# KiCad board ovc5.kicad_pcb (continued)
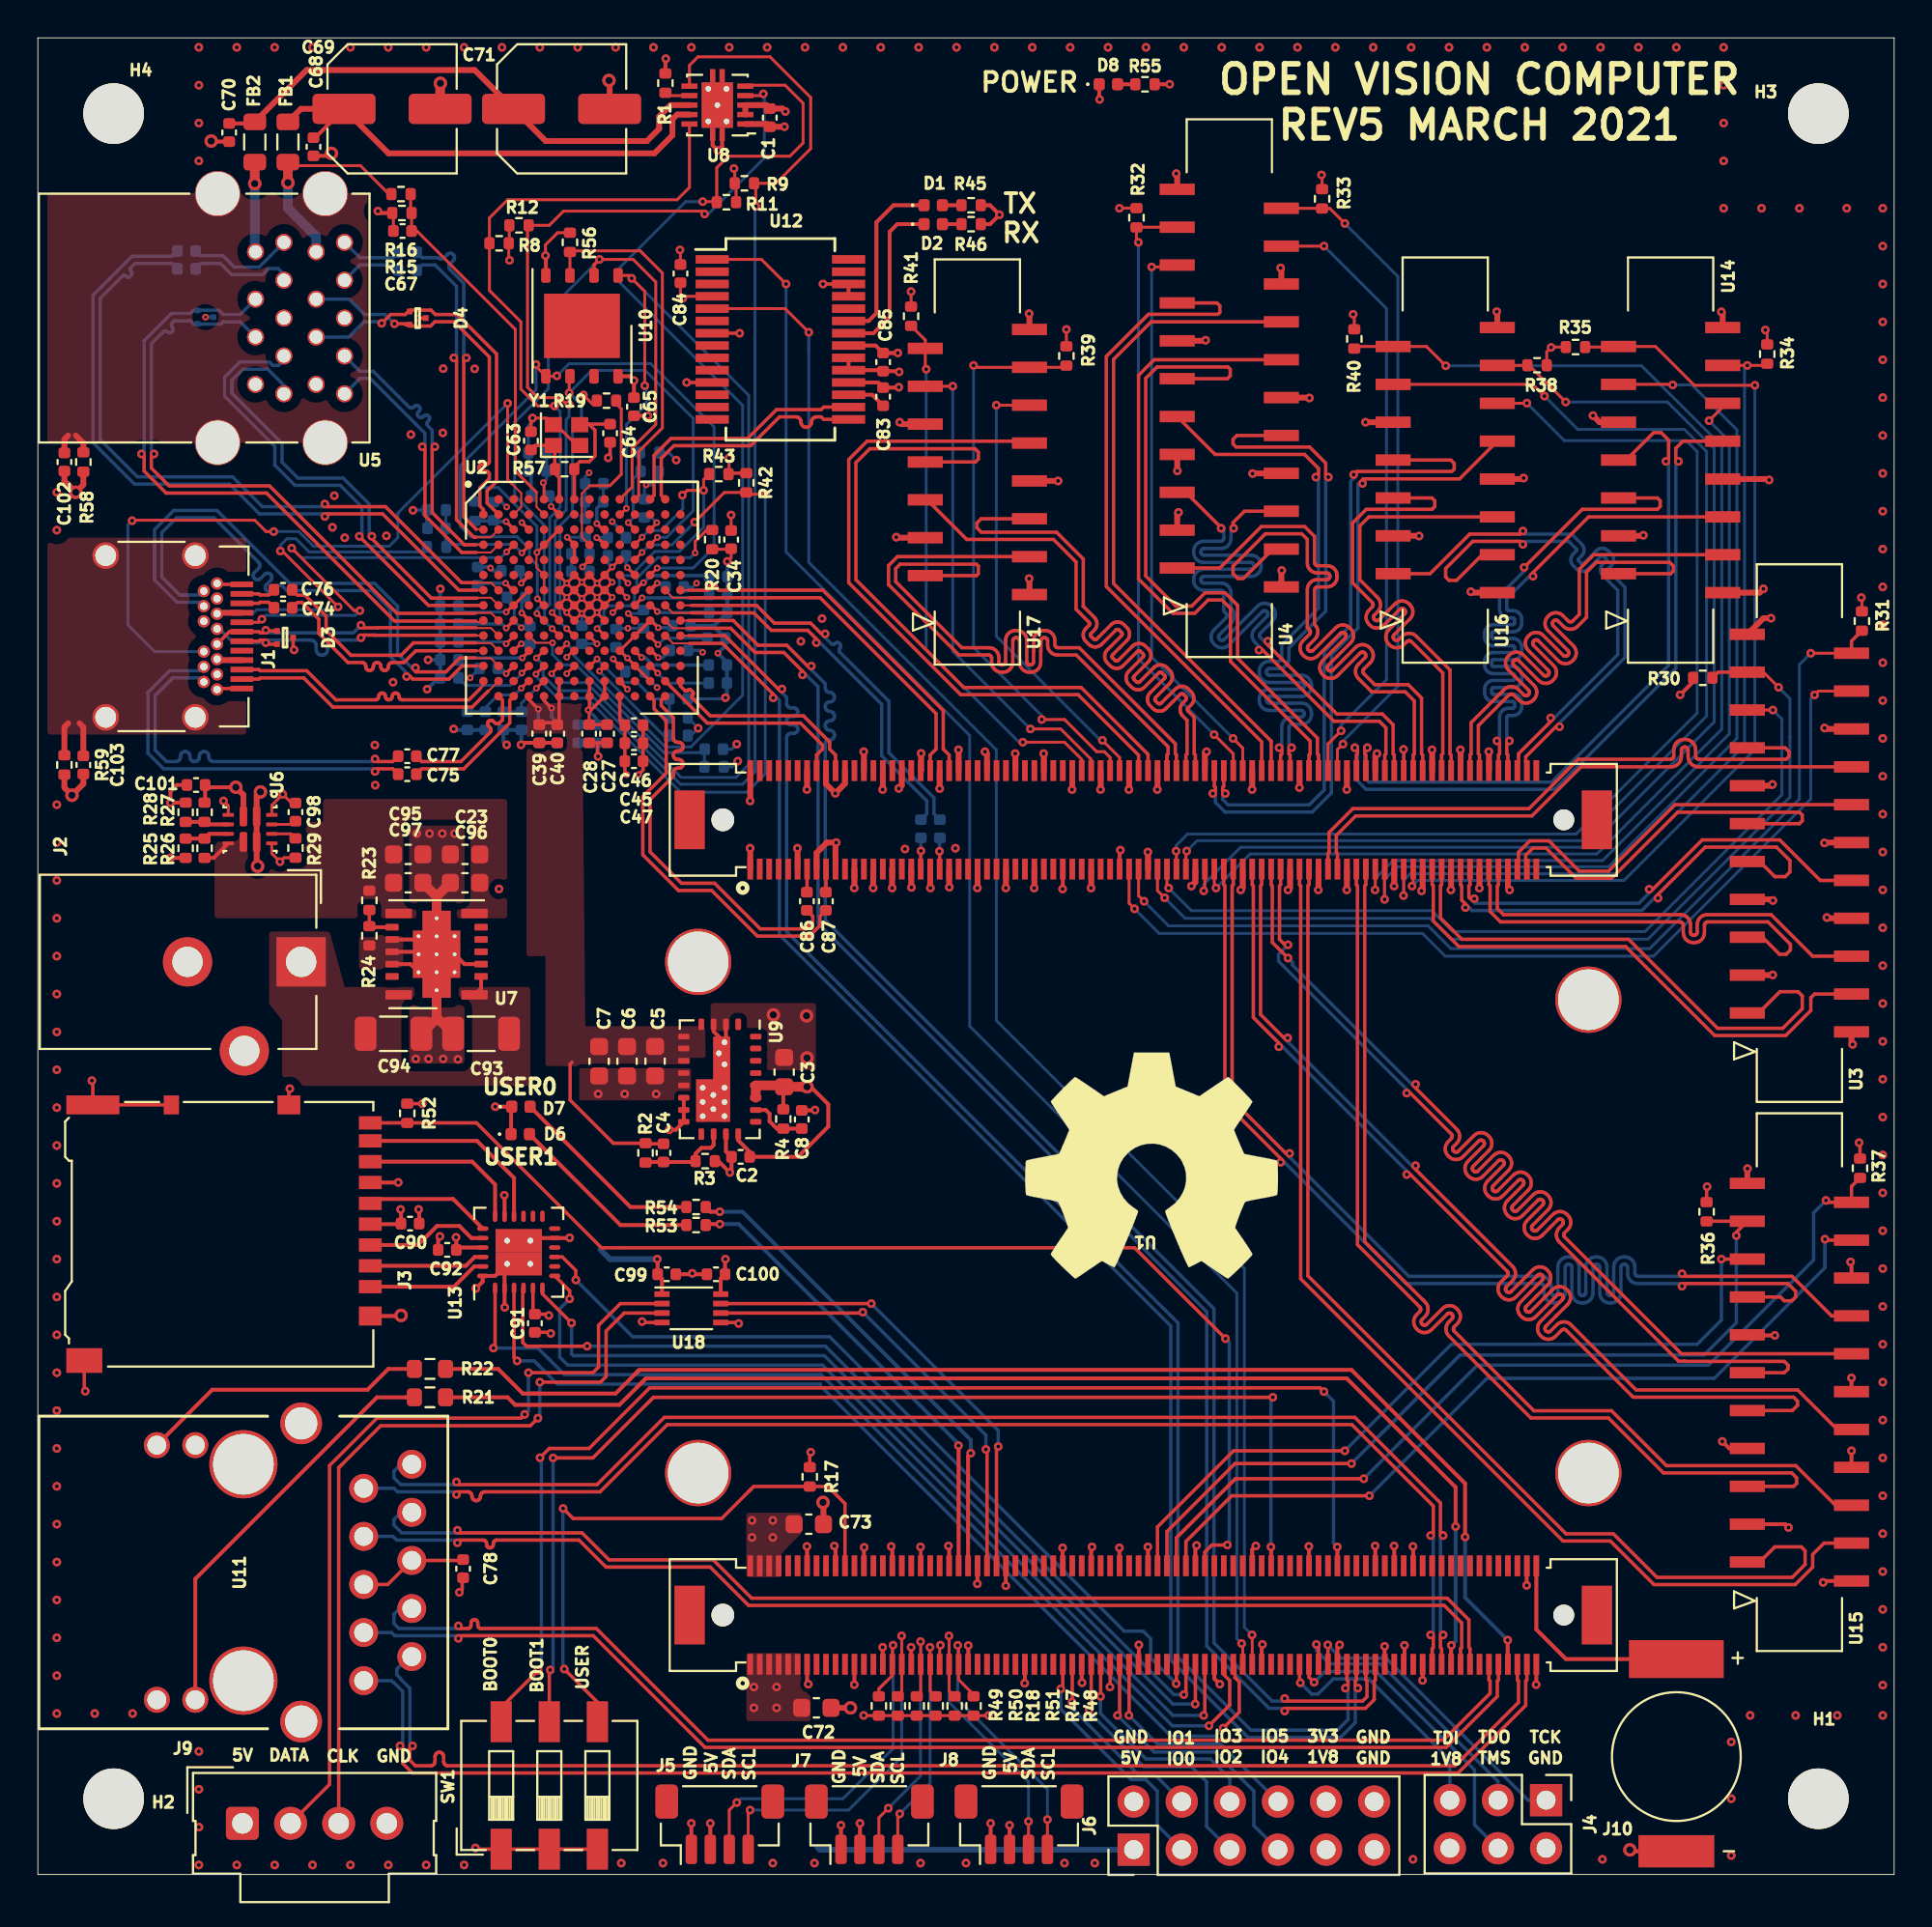
[diagram p0: board, top side]
## Routing (per net, layer and track width the routed paths; a pad name or vN(x,y) marks a point on that pad's centre or on a via; arc(x,y) is an arc through that point) (continued)
CAM5_DAT0-: length 34
  Top w0.178: U1.B92 60.11,59.13 60.05,59.18 60.05,59.72 54.98,64.79 53.86,64.79 53.82,64.79 53.79,64.81 53.75,64.83 53.73,64.85 53.71,64.89 53.69,64.92 53.69,64.96 53.69,65.18 53.68,65.3 53.64,65.41 53.58,65.51 53.49,65.59 53.4,65.65 53.29,65.69 53.17,65.7 53.09,65.7 52.98,65.69 52.87,65.65 52.77,65.59 52.69,65.51 52.62,65.41 52.59,65.3 52.57,65.18 52.57,64.6 52.56,64.6 52.56,64.05 52.56,64.01 52.55,63.98 52.53,63.94 52.5,63.92 52.47,63.9 52.43,63.88 52.39,63.88 52.38,63.88 52.34,63.88 52.3,63.9 52.27,63.92 52.25,63.94 52.23,63.98 52.21,64.01 52.21,64.05 52.21,65.18 52.2,65.3 52.16,65.41 52.1,65.51 52.01,65.59 51.91,65.65 51.81,65.69 51.69,65.7 51.61,65.7 51.49,65.69 51.38,65.65 51.29,65.59 51.2,65.51 51.14,65.41 51.1,65.3 51.09,65.18 51.09,64.05 51.09,64.01 51.07,63.98 51.05,63.94 51.03,63.92 50.99,63.9 50.96,63.88 50.92,63.88 50.91,63.88 50.87,63.88 50.83,63.9 50.8,63.92 50.77,63.94 50.75,63.98 50.74,64.01 50.74,64.05 50.74,64.27 50.72,64.39 50.68,64.5 50.62,64.6 50.54,64.68 50.44,64.74 50.33,64.78 50.22,64.79 48.78,64.79 45.29,68.28 45.29,68.97 45.52,69.2 49.55,69.2 49.65,69.1 49.65,68.7 49.55,68.6 U17.2
CAM5_DAT1+: length 34.2
  Top w0.178: U1.B94 60.61,59.13 60.67,59.18 60.67,60.96 60.44,61.19 60.38,61.27 60.33,61.37 60.31,61.47 60.31,61.58 60.33,61.69 60.38,61.79 60.44,61.87 60.6,62.03 60.62,62.05 60.63,62.08 60.64,62.1 60.64,62.13 60.63,62.16 60.62,62.19 60.6,62.21 60.49,62.32 60.47,62.34 60.44,62.35 60.41,62.36 60.38,62.36 60.35,62.35 60.33,62.34 60.3,62.32 59.94,61.96 59.8,61.83 59.56,61.58 59.47,61.51 59.37,61.46 59.27,61.44 59.16,61.44 59.05,61.46 58.96,61.51 58.87,61.58 58.72,61.73 58.65,61.81 58.61,61.91 58.58,62.02 58.58,62.12 58.61,62.23 58.65,62.33 58.72,62.41 59.47,63.16 59.49,63.18 59.5,63.21 59.5,63.24 59.5,63.27 59.5,63.3 59.49,63.32 59.47,63.35 59.36,63.45 59.33,63.47 59.31,63.49 59.28,63.49 59.25,63.49 59.22,63.49 59.19,63.47 59.17,63.45 58.42,62.71 58.34,62.64 58.24,62.59 58.14,62.57 58.03,62.57 57.92,62.59 57.83,62.64 57.74,62.71 57.59,62.86 57.52,62.94 57.47,63.04 57.45,63.15 57.45,63.26 57.47,63.36 57.52,63.46 57.59,63.54 58.34,64.29 58.35,64.31 58.37,64.34 58.37,64.37 58.37,64.4 58.37,64.43 58.35,64.45 58.34,64.48 58.23,64.59 58.2,64.6 58.18,64.62 58.15,64.62 58.12,64.62 58.09,64.62 58.06,64.6 58.04,64.59 57.29,63.84 57.21,63.77 57.11,63.73 57.01,63.7 56.9,63.7 56.79,63.73 56.69,63.77 56.61,63.84 56.46,63.99 56.39,64.08 56.34,64.17 56.32,64.28 56.32,64.39 56.34,64.49 56.39,64.59 56.46,64.67 57.2,65.42 57.22,65.44 57.24,65.47 57.24,65.5 57.24,65.53 57.24,65.56 57.22,65.58 57.2,65.61 57.09,65.72 57.07,65.74 57.04,65.75 57.02,65.76 56.99,65.76 56.96,65.75 56.93,65.74 56.91,65.72 56.16,64.97 56.08,64.9 55.98,64.86 55.87,64.83 55.77,64.83 55.66,64.86 55.56,64.9 55.48,64.97 55.33,65.12 55.26,65.21 55.21,65.3 55.19,65.41 55.19,65.52 55.21,65.62 55.26,65.72 55.33,65.81 55.48,65.96 55.5,65.99 55.51,66.01 55.52,66.04 55.52,66.07 55.51,66.1 55.5,66.13 55.48,66.15 54.81,66.82 54.81,69.32 53.62,70.51 49.04,70.51 46.95,72.6 U17.6 47.3,72.6
CAM5_DAT1-: length 34
  Top w0.178: U1.B96 61.11,59.13 61.05,59.18 61.05,61.12 60.73,61.43 60.72,61.46 60.7,61.48 60.7,61.51 60.7,61.54 60.7,61.57 60.72,61.6 60.73,61.62 60.89,61.78 60.96,61.86 61,61.96 61.03,62.06 61.03,62.17 61,62.28 60.96,62.38 60.89,62.46 60.74,62.61 60.65,62.68 60.56,62.73 60.45,62.75 60.34,62.75 60.24,62.73 60.14,62.68 60.06,62.61 59.67,62.23 59.67,62.23 59.31,61.87 59.28,61.85 59.26,61.84 59.23,61.83 59.2,61.83 59.17,61.84 59.14,61.85 59.12,61.87 59.01,61.98 58.99,62 58.98,62.03 58.97,62.06 58.97,62.09 58.98,62.11 58.99,62.14 59.01,62.16 59.76,62.91 59.82,62.99 59.87,63.09 59.9,63.2 59.9,63.31 59.87,63.41 59.82,63.51 59.76,63.59 59.61,63.75 59.52,63.81 59.42,63.86 59.32,63.88 59.21,63.88 59.1,63.86 59.01,63.81 58.92,63.75 58.18,63 58.15,62.98 58.13,62.97 58.1,62.96 58.07,62.96 58.04,62.97 58.01,62.98 57.99,63 57.88,63.11 57.86,63.13 57.85,63.16 57.84,63.19 57.84,63.22 57.85,63.25 57.86,63.27 57.88,63.3 58.63,64.04 58.69,64.13 58.74,64.22 58.76,64.33 58.76,64.44 58.74,64.54 58.69,64.64 58.63,64.73 58.47,64.88 58.39,64.94 58.29,64.99 58.19,65.02 58.08,65.02 57.97,64.99 57.88,64.94 57.79,64.88 57.04,64.13 57.02,64.11 56.99,64.1 56.97,64.09 56.94,64.09 56.91,64.1 56.88,64.11 56.86,64.13 56.75,64.24 56.73,64.26 56.72,64.29 56.71,64.32 56.71,64.35 56.72,64.38 56.73,64.4 56.75,64.43 57.49,65.17 57.56,65.26 57.61,65.36 57.63,65.46 57.63,65.57 57.61,65.67 57.56,65.77 57.49,65.86 57.34,66.01 57.26,66.08 57.16,66.12 57.06,66.15 56.95,66.15 56.84,66.12 56.74,66.08 56.66,66.01 55.91,65.26 55.89,65.24 55.86,65.23 55.83,65.22 55.8,65.22 55.78,65.23 55.75,65.24 55.73,65.26 55.62,65.37 55.6,65.39 55.59,65.42 55.58,65.45 55.58,65.48 55.59,65.51 55.6,65.53 55.62,65.56 55.77,65.71 55.84,65.8 55.89,65.9 55.91,66 55.91,66.11 55.89,66.21 55.84,66.31 55.77,66.4 55.19,66.98 55.19,69.48 53.78,70.89 49.81,70.89 49.58,71.12 49.58,71.38 49.8,71.6 U17.5
CAM5_ENABLE: length 23.8
  Top w0.152: U1.B80 57.11,58.99 v1(56.2,59.9) ; U17.11 v1(50.6,77.6)
  Bottom w0.152: v1(50.6,77.6) 50.6,65.4 56.1,59.9 v1(56.2,59.9)
CAM5_SCL: length 30.3
  Top w0.152: v1(49.4,79.7) 49.5,79.6 U17.13 54.21,79.6 R39.2 ; v1(53,61) 54.2,61 55.9,59.3 56.3,59.3 56.61,58.99 U1.B78
  Bottom w0.152: v1(53,61) 53,61.2 49.4,64.8 v1(49.4,79.7)
CAM5_SDA: length 28.6
  Top w0.152: U1.B72 55.11,58.89 54.2,59.8 v1(52,59.8) ; v1(46.9,79.5) 46.85,79.55 U17.14 46.85,81.04 R41.2
  Bottom w0.152: v1(52,59.8) 51.8,59.8 46.9,64.7 v1(46.9,79.5)
CAM5_TRIGGER: length 25.7
  Top w0.152: v1(52.4,60.5) 54,60.5 55.61,58.89 U1.B74 ; v1(48.3,78.6) U17.12
  Bottom w0.152: v1(48.3,78.6) 48.3,64.6 v1(52.4,60.5)
DEBUG_UART_RX: length 87.3
  Top w0.152: v1(63.55,12.2) 63.61,12.14 U1.A105 ; U12.1 38.2,85.3 v1(39.5,84)
  Bottom w0.152: v1(39.5,84) 39.5,69.85 49.19,60.16 49.19,44.81 63.3,30.7 63.3,12.45 v1(63.55,12.2)
DEBUG_UART_TX: length 86.2
  Top w0.152: U1.A107 64.11,12.64 v1(64.1,12.65) ; U12.5 39.45,82.7 v1(40.7,81.45)
  Bottom w0.152: 40.7,80.55 40.7,69.3 50.6,59.4 50.6,45.1 63.7,32 63.7,13.05 v1(64.1,12.65) ; 40.7,80.55 v1(40.7,81.45) ; 40.7,80.55 40.7,81.05
FPGA_FAN_CLK: length 23.6
  Top w0.178: v1(50.05,22.45) 50.11,22.39 U1.A52 ; U18.6 43.5,29.65 v1(43.55,29.7)
  Bottom w0.178: v1(50.05,22.45) 50.05,23.2 v1(43.55,29.7)
FPGA_FAN_DATA: length 24.6
  Top w0.178: U18.7 v1(44,30.15) ; U1.A54 50.61,22.51 v1(50.7,22.6)
  Bottom w0.178: v1(50.7,22.6) 50.7,23.45 v1(44,30.15)
FPGA_USB0_D+: length 81.8
  Top w0.102: U2.K14 34.37,65.43
  Top w0.178: v1(39.28,62.61) 39.09,62.61 36.27,65.43 34.37,65.43 ; U1.A127 69.11,10.27 69.17,10.22 69.17,9.98 v1(69.03,9.84)
  Bottom w0.178: v1(39.28,62.61) 39.28,62.42 39.53,62.17 39.53,61.84 39.54,61.79 39.55,61.74 39.58,61.7 39.62,61.66 39.66,61.64 39.71,61.62 39.76,61.62 39.9,61.62 39.95,61.61 40,61.59 40.04,61.57 40.07,61.53 40.1,61.49 40.12,61.44 40.12,61.39 40.12,61.34 40.1,61.29 40.07,61.25 40.04,61.21 40,61.19 39.95,61.17 39.9,61.17 39.76,61.17 39.71,61.16 39.66,61.14 39.62,61.12 39.58,61.08 39.55,61.04 39.54,60.99 39.53,60.94 39.54,60.89 39.55,60.84 39.58,60.8 39.62,60.76 39.66,60.74 39.71,60.72 39.76,60.72 39.9,60.72 39.95,60.71 40,60.69 40.04,60.67 40.07,60.63 40.1,60.59 40.12,60.54 40.12,60.49 40.12,60.44 40.1,60.39 40.07,60.35 40.04,60.31 40,60.29 39.95,60.27 39.9,60.27 39.76,60.27 39.71,60.26 39.66,60.24 39.62,60.22 39.58,60.18 39.55,60.14 39.54,60.09 39.53,60.04 39.53,49.79 60.19,29.13 60.19,11.48 64.05,7.62 68.61,7.62 69.17,8.18 69.17,9.7 v1(69.03,9.84)
FPGA_USB0_D-: length 81.8
  Top w0.102: U2.K13 33.53,65.02 34.4,65.02
  Top w0.178: U1.A129 69.61,10.27 69.55,10.22 69.55,9.98 v1(69.69,9.84) ; 34.4,65.02 36.14,65.02 38.82,62.34 v1(38.82,62.15)
  Bottom w0.178: v1(38.82,62.15) 39.01,62.15 39.15,62.01 39.15,49.63 59.81,28.97 59.81,11.32 63.89,7.24 68.77,7.24 69.55,8.02 69.55,9.7 v1(69.69,9.84)
FPGA_USB0_RX+: length 11.2
  Top w0.178: U2.N13 35.34,60.81 40.26,60.81 41.42,59.65 41.42,59.43 41.11,59.13 U1.B16
FPGA_USB0_RX-: length 11.3
  Top w0.178: U2.N14 33.92,62.77 34.14,62.54 34.17,62.53 34.19,62.52 34.22,62.51 34.24,62.51 34.27,62.52 34.29,62.53 34.34,62.56 34.36,62.57 34.39,62.58 34.41,62.58 34.44,62.57 34.46,62.56 34.48,62.54 34.57,62.46 34.58,62.44 34.59,62.42 34.6,62.39 34.6,62.36 34.59,62.34 34.58,62.31 34.55,62.27 34.54,62.25 34.53,62.22 34.53,62.19 34.54,62.17 34.55,62.14 34.57,62.12 35.5,61.19 40.42,61.19 41.8,59.81 41.8,59.43 42.11,59.13 U1.B20
FPGA_USB0_TX+: length 21.5
  Top w0.178: C86.1 40.91,50.61 40.91,50.28 40.57,49.94 38.14,49.94 35.73,52.35 33.98,52.35 32.32,54.01 32.32,56.77 33.55,58 33.55,58.2 33.56,58.25 33.57,58.3 33.6,58.34 33.64,58.38 33.68,58.41 33.73,58.42 33.78,58.43 33.84,58.43 33.89,58.43 33.93,58.45 33.98,58.48 34.01,58.51 34.04,58.56 34.06,58.61 34.06,58.66 34.06,58.71 34.04,58.75 34.01,58.8 33.98,58.83 33.93,58.86 33.89,58.88 33.84,58.88 33.78,58.88 33.73,58.89 33.68,58.91 33.64,58.93 33.6,58.97 33.57,59.01 33.56,59.06 33.55,59.11 33.56,59.16 33.57,59.21 33.6,59.25 33.64,59.29 33.68,59.32 33.73,59.33 33.78,59.34 33.84,59.34 33.89,59.35 33.93,59.36 33.98,59.39 34.01,59.43 34.04,59.47 34.06,59.52 34.06,59.57 34.06,59.62 34.04,59.67 34.01,59.71 33.98,59.75 33.93,59.77 33.89,59.79 33.84,59.8 33.78,59.8 33.73,59.8 33.68,59.82 33.64,59.84 33.6,59.88 33.57,59.92 33.56,59.97 33.55,60.02 33.55,61.09 32.91,61.73 32.91,62.02 U2.P13
FPGA_USB0_TX-: length 21.5
  Top w0.178: C87.1 41.29,50.61 41.29,50.12 40.73,49.56 37.98,49.56 35.57,51.97 33.82,51.97 31.94,53.85 31.94,56.93 33.17,58.16 33.17,60.94 32.53,61.58 32.53,62.02 U2.P12
FPGA_USB1_D+: length 81.2
  Top w0.102: U2.J14 34.34,66.23
  Top w0.178: v1(65.83,9.3) 65.97,9.16 69.94,9.16 70.17,9.39 70.17,10.22 70.11,10.27 U1.A131 ; v1(40.83,63.82) 40.64,63.82 39.54,64.92 38.02,64.92 36.71,66.23 34.34,66.23
  Bottom w0.178: v1(40.83,63.82) 40.83,63.63 41.57,62.89 41.57,62.67 41.58,62.62 41.59,62.57 41.62,62.52 41.66,62.48 41.71,62.45 41.76,62.43 41.86,62.42 41.92,62.41 41.96,62.38 42,62.34 42.03,62.29 42.05,62.24 42.05,62.19 42.05,62.17 42.05,62.12 42.03,62.07 42,62.02 41.96,61.98 41.92,61.95 41.86,61.93 41.76,61.92 41.71,61.91 41.66,61.88 41.62,61.84 41.59,61.79 41.58,61.74 41.57,61.69 41.57,61.67 41.58,61.62 41.59,61.57 41.62,61.52 41.66,61.48 41.71,61.45 41.76,61.43 41.86,61.42 41.92,61.41 41.96,61.38 42,61.34 42.03,61.29 42.05,61.24 42.05,61.19 42.05,61.17 42.05,61.12 42.03,61.07 42,61.02 41.96,60.98 41.92,60.95 41.86,60.93 41.76,60.92 41.71,60.91 41.66,60.88 41.62,60.84 41.59,60.79 41.58,60.74 41.57,60.69 41.57,60.67 41.58,60.62 41.59,60.57 41.62,60.52 41.66,60.48 41.71,60.45 41.76,60.43 41.86,60.42 41.92,60.41 41.96,60.38 42,60.34 42.03,60.29 42.05,60.24 42.05,60.19 42.05,60.17 42.05,60.12 42.03,60.07 42,60.02 41.96,59.98 41.92,59.95 41.86,59.93 41.76,59.92 41.71,59.91 41.66,59.88 41.62,59.84 41.59,59.79 41.58,59.74 41.57,59.69 41.57,50.4 62.09,29.88 62.09,12.23 65.16,9.16 65.69,9.16 v1(65.83,9.3)
FPGA_USB1_D-: length 81.2
  Top w0.102: 34.31,65.82 33.53,65.82 U2.J13
  Top w0.178: 34.31,65.82 36.58,65.82 37.86,64.54 39.38,64.54 40.37,63.55 v1(40.37,63.36) ; v1(65.83,8.64) 65.97,8.77 70.09,8.77 70.55,9.23 70.55,10.22 70.61,10.27 U1.A133
  Bottom w0.178: v1(65.83,8.64) 65.69,8.77 65.01,8.77 61.71,12.07 61.71,29.72 41.19,50.24 41.19,62.73 40.56,63.36 v1(40.37,63.36)
FPGA_USB1_RX+: length 20.1
  Top w0.102: U2.G13 33.52,67.43 34.41,67.43
  Top w0.178: 34.41,67.43 41.3,67.43 47.42,61.31 47.42,59.43 47.11,59.13 U1.B40
FPGA_USB1_RX-: length 20.1
  Top w0.102: U2.G14 34.35,67.83
  Top w0.178: U1.B44 48.11,59.13 47.8,59.43 47.8,61.47 41.44,67.83 35.98,67.83 35.94,67.83 35.91,67.84 35.89,67.86 35.86,67.88 35.85,67.91 35.83,67.94 35.83,68.01 35.82,68.04 35.8,68.07 35.78,68.09 35.75,68.11 35.72,68.12 35.68,68.12 35.62,68.12 35.59,68.12 35.56,68.11 35.53,68.09 35.51,68.07 35.49,68.04 35.48,68.01 35.47,67.94 35.46,67.91 35.44,67.88 35.42,67.86 35.39,67.84 35.36,67.83 35.33,67.83 34.35,67.83
FPGA_USB1_TX+: length 20.9
  Top w0.102: U2.H13 33.52,66.63 34.5,66.63
  Top w0.178: 34.5,66.63 37.8,66.63 38.72,65.71 40.64,65.71 41.1,65.25 v1(41.1,65.06)
  Bottom w0.178: v1(41.1,65.06) 41.29,65.06 44.55,61.8 44.55,59.08 46.93,56.7 46.93,56.02 C88.1
FPGA_USB1_TX-: length 20.9
  Top w0.102: U2.H14 34.49,67.03
  Top w0.178: v1(41.56,65.52) 41.37,65.52 40.8,66.09 38.88,66.09 37.94,67.03 34.49,67.03
  Bottom w0.178: C89.1 47.31,56.02 47.31,56.86 44.93,59.24 44.93,61.96 42.35,64.54 42.32,64.57 42.31,64.6 42.3,64.64 42.3,64.67 42.31,64.71 42.32,64.74 42.37,64.8 42.38,64.83 42.39,64.86 42.39,64.9 42.38,64.93 42.37,64.96 42.35,64.99 42.32,65.02 42.29,65.04 42.26,65.06 42.22,65.07 42.19,65.07 42.15,65.06 42.12,65.04 42.07,65 42.03,64.98 42,64.97 41.96,64.97 41.93,64.98 41.9,65 41.87,65.02 41.56,65.33 v1(41.56,65.52)
GBE_LED_ACT: length 66.8
  Top w0.203: 32.1,26.2 30.7,24.8 25.2,24.8 24.8,25.2 21.52,25.2 ; 32.1,26.2 33.35,26.2 ; 32.1,26.2 31.7,25.8 ; 32.1,26.2 32.05,26.15 ; v1(74.62,12.1) 74.61,12.08 U1.A149 ; 33.35,26.2 33.1,26.2 ; 33.35,26.2 69.1,26.2 74.85,20.45 v1(74.85,18.38)
  Bottom w0.203: v1(74.85,18.38) 74.85,12.33 v1(74.62,12.1)
GBE_LED_LINK: length 68.5
  Top w0.203: 26.4,25.4 25.6,25.4 24.3,26.7 21.52,26.7 ; 26.4,25.4 30.5,25.4 31.7,26.6 ; 26.4,25.4 26,25.4 ; v1(77.6,12.38) 77.6,11.11 U1.A161 ; 31.5,26.4 31.7,26.6 ; 31.7,26.6 31.75,26.65 69.35,26.65 75.35,20.65 v1(75.35,17.83)
  Bottom w0.203: v1(75.35,17.83) 75.35,14.62 v1(77.6,12.38)
GBE_MDI0_N: length 69.4
  Top w0.178: v1(19.78,6.79) 19.64,6.65 19.64,6.03 19.93,5.74 20.74,5.74 20.79,5.75 20.84,5.76 20.88,5.79 20.92,5.83 20.95,5.87 20.96,5.92 20.97,5.97 20.97,6.22 20.97,6.28 20.99,6.32 21.02,6.37 21.05,6.4 21.1,6.43 21.15,6.45 21.2,6.45 21.25,6.45 21.29,6.43 21.34,6.4 21.37,6.37 21.4,6.32 21.42,6.28 21.42,6.22 21.42,5.97 21.43,5.92 21.45,5.87 21.47,5.83 21.51,5.79 21.55,5.76 21.6,5.75 21.65,5.74 74.82,5.74 78.17,9.09 78.17,10.22 78.11,10.27 U1.A163
  Bottom w0.178: v1(19.78,6.79) 19.64,6.93 19.64,9.83 19.15,10.32 19.15,10.35 18.95,10.55 18.95,10.85 19.6,11.5 U11.2
GBE_MDI0_P: length 69.4
  Top w0.178: U1.A165 78.61,10.27 78.55,10.22 78.55,8.93 74.98,5.36 19.77,5.36 19.26,5.87 19.26,6.65 v1(19.12,6.79)
  Bottom w0.178: U11.1 18.66,10.23 18.75,10.15 18.78,10.15 19.26,9.67 19.26,6.93 v1(19.12,6.79)
GBE_MDI1_N: length 65.3
  Top w0.178: v1(22.2,13.13) 22.34,12.99 22.69,12.99 22.73,12.99 22.77,13.01 22.8,13.03 22.83,13.06 22.85,13.09 22.86,13.13 22.87,13.17 22.87,13.28 22.87,13.32 22.89,13.36 22.91,13.39 22.94,13.42 22.97,13.44 23.01,13.45 23.05,13.46 23.09,13.45 23.12,13.44 23.16,13.42 23.19,13.39 23.21,13.36 23.22,13.32 23.22,13.28 23.22,13.17 23.23,13.13 23.24,13.09 23.26,13.06 23.29,13.03 23.32,13.01 23.36,12.99 23.4,12.99 29.48,12.99 35.38,7.09 74.2,7.09 76.67,9.56 76.67,10.22 76.61,10.27 U1.A157
  Bottom w0.178: U11.4 19.09,14.05 18.8,13.75 18.8,13.25 19.06,12.99 22.06,12.99 v1(22.2,13.13)
GBE_MDI1_P: length 65.3
  Top w0.178: v1(22.2,12.47) 22.34,12.61 29.32,12.61 35.22,6.71 74.35,6.71 77.05,9.41 77.05,10.22 77.11,10.27 U1.A159
  Bottom w0.178: v1(22.2,12.47) 22.06,12.61 18.84,12.61 18.67,12.78 U11.3
GBE_MDI2_N: length 62.7
  Top w0.178: U1.A151 75.11,11.93 75.17,11.98 75.17,13.29 74.25,14.21 37.52,14.21 35.5,16.23 30,16.23 28.57,17.66 24.22,17.66 24.18,17.66 24.14,17.64 24.11,17.62 24.08,17.59 24.06,17.56 24.05,17.52 24.04,17.48 24.04,17.43 24.04,17.39 24.03,17.35 24,17.32 23.98,17.29 23.94,17.27 23.9,17.25 23.87,17.25 23.83,17.25 23.79,17.27 23.75,17.29 23.73,17.32 23.7,17.35 23.69,17.39 23.69,17.43 23.69,17.48 23.68,17.52 23.67,17.56 23.65,17.59 23.62,17.62 23.59,17.64 23.55,17.66 23.51,17.66 22.29,17.66 v1(22.15,17.52)
  Bottom w0.178: v1(22.15,17.52) 22.01,17.66 18.94,17.66 18.74,17.86 U11.7
GBE_MDI2_P: length 62.7
  Top w0.178: v1(22.15,18.18) 22.29,18.04 28.73,18.04 30.15,16.62 35.65,16.62 37.68,14.59 74.4,14.59 75.55,13.44 75.55,11.98 75.61,11.93 U1.A153
  Bottom w0.178: U11.8 19.17,19.12 18.8,18.75 18.8,18.45 19.21,18.04 22.01,18.04 v1(22.15,18.18)
GBE_MDI3_N: length 69.6
  Top w0.178: U1.A145 73.61,11.93 73.67,11.98 73.67,12.51 v1(73.53,12.65) ; v1(22.1,20.07) 22.24,20.21 22.69,20.21 22.74,20.2 22.79,20.19 22.83,20.16 22.87,20.12 22.89,20.08 22.91,20.03 22.92,19.98 22.92,19.97 22.92,19.92 22.94,19.87 22.96,19.83 23,19.79 23.04,19.76 23.09,19.75 23.14,19.74 23.19,19.75 23.24,19.76 23.28,19.79 23.32,19.83 23.34,19.87 23.36,19.92 23.37,19.97 23.37,19.98 23.37,20.03 23.39,20.08 23.41,20.12 23.45,20.16 23.49,20.19 23.54,20.2 23.59,20.21 29.68,20.21 33.23,23.76 69.37,23.76 73.67,19.46 73.67,18.04 v1(73.53,17.9) ; U11.9 17.55,20.75
  Bottom w0.178: v1(73.53,17.9) 73.67,17.76 73.67,12.79 v1(73.53,12.65) ; U11.9 18.8,20.39 18.99,20.21 21.96,20.21 v1(22.1,20.07)
GBE_MDI3_P: length 69.1
  Top w0.178: v1(74.19,12.65) 74.05,12.51 74.05,11.98 74.11,11.93 U1.A147 ; v1(22.1,20.73) 22.24,20.59 29.52,20.59 33.07,24.14 69.53,24.14 74.05,19.62 74.05,18.04 v1(74.19,17.9)
  Bottom w0.178: v1(74.19,17.9) 74.05,17.76 74.05,12.79 v1(74.19,12.65) ; U11.10 19.16,21.67 18.8,21.3 18.8,20.95 19.16,20.59 21.96,20.59 v1(22.1,20.73)
GPIO0: length 12.9
  Top w0.178: U1.A67 54.11,9.91 v1(54,9.8)
  Bottom w0.178: v1(54,9.8) 54,8.73 57.72,5.01 58.49,5.01 59.1,4.4 59.1,2.6 J6.3
GPIO1: length 10.2
  Top w0.178: v1(54.6,9.1) 54.61,9.11 U1.A69
  Bottom w0.178: J6.4 58.89,5.35 58.02,5.35 54.6,8.77 v1(54.6,9.1)
GPIO2: length 14.4
  Top w0.178: U1.A73 55.61,8.81 v1(55.5,8.7)
  Bottom w0.178: v1(55.5,8.7) 55.5,8.58 58.39,5.69 60.91,5.69 61.7,4.9 61.7,2.54 J6.5
GPIO3: length 12.1
  Top w0.178: v1(56.1,9.4) 56.11,9.41 U1.A75
  Bottom w0.178: J6.6 62.93,5.07 61.9,6.1 58.5,6.1 56.1,8.5 v1(56.1,9.4)
GPIO4: length 15.2
  Top w0.178: v1(57,8.4) 57.11,8.51 U1.A79
  Bottom w0.178: v1(57,8.4) 58.93,6.47 62.13,6.47 64.2,4.4 64.2,2.58 J6.7
GPIO5: length 12.5
  Top w0.178: U1.A81 57.61,8.41 v1(57.6,8.4)
  Bottom w0.178: J6.8 62.43,6.89 59.11,6.89 v1(57.6,8.4)
QWIIC0_SCL: length 21
  Top w0.152: v1(45.6,12.6) 45.61,12.59 U1.A33 45.61,9.62 R18.1 ; J5.4 37.5,3.3 v1(37.6,3.4)
  Bottom w0.152: v1(37.6,3.4) 42.8,3.4 45.6,6.2 v1(45.6,12.6)
QWIIC0_SDA: length 21.1
  Top w0.152: R49.2 44.4,9.8 ; 44.4,9.8 45.11,10.51 U1.A31 45.11,12.07 v1(45.15,12.11) ; 44.4,9.8 44.8,10.2 ; J5.3 36.5,3.4 v1(36.9,3.8)
  Bottom w0.152: v1(36.9,3.8) 37.1,4 42.5,4 45.15,6.65 v1(45.15,12.11)
QWIIC1_SCL: length 14.1
  Top w0.152: R47.1 47.11,9.7 U1.A39 47.11,11.99 v1(47.1,12) ; J7.4 45.4,3.1 v1(45.5,3.2)
  Bottom w0.152: v1(47.1,12) 47.1,4.8 v1(45.5,3.2)
QWIIC1_SDA: length 14.9
  Top w0.152: R50.2 46.61,9.62 U1.A37 46.61,12.29 v1(46.6,12.3) ; v1(44.9,3.5) 44.4,3 J7.3
  Bottom w0.152: v1(46.6,12.3) 46.6,5.2 v1(44.9,3.5)
QWIIC2_SCL: length 15.8
  Top w0.152: v1(53.3,2.9) J8.4 ; R48.1 49.4,9.5 48.61,10.29 U1.A45 48.61,12.05 v1(48.56,12.1)
  Bottom w0.152: v1(48.56,12.1) 48.56,9.24 53.3,4.5 v1(53.3,2.9)
QWIIC2_SDA: length 16.3
  Top w0.152: v1(48.1,12.6) 48.11,12.59 U1.A43 48.11,9.7 R51.2 ; J8.3 v1(52.3,2.8)
  Bottom w0.152: v1(52.3,2.8) 52.3,4.9 48.1,9.1 v1(48.1,12.6)
SDIO_CDn: length 63
  Top w0.178: U1.A98 61.61,17.03 61.98,17.4 v1(62.8,17.4) ; J3.9 23.16,39.69 29.75,33.1 57.9,33.1 v1(62.7,28.3)
  Bottom w0.178: v1(62.7,28.3) 62.9,28.1 62.9,17.5 v1(62.8,17.4)
SDIO_CLK: length 44.1
  Top w0.178: v1(60.1,10.08) 60.11,10.08 U1.A91 ; U13.9 27.69,32.61 28.4,31.9 v1(28.4,31.4)
  Bottom w0.178: v1(28.4,31.4) 31.4,28.4 41.8,28.4 57.35,12.85 58.35,12.85 58.75,12.45 58.75,11.42 v1(60.1,10.08)
SDIO_CMD: length 47.1
  Top w0.178: v1(60.5,9.5) 60.61,9.61 U1.A93 ; U13.4 25.6,30.92 25.6,28.1 25.8,27.9 v1(29,27.9)
  Bottom w0.178: v1(29,27.9) 41.58,27.9 59.97,9.5 v1(60.5,9.5)
SDIO_D0: length 46.8
  Top w0.178: v1(28.17,29.12) 26.64,30.66 U13.6 ; v1(61.1,9) 61.11,9.01 U1.A95
  Bottom w0.178: v1(61.1,9) 59.92,9 41.53,27.4 28.27,27.4 28.17,27.5 v1(28.17,29.12)
SDIO_D1: length 49.4
  Top w0.178: U1.A97 61.61,8.46 v1(61.55,8.4) ; U13.7 28.08,30.83 v1(28.08,30.4)
  Bottom w0.178: v1(61.55,8.4) 59.92,8.4 41.42,26.9 27.98,26.9 27.55,27.33 27.55,29.88 v1(28.08,30.4)
SDIO_D2: length 53.2
  Top w0.178: v1(24.05,27.8) 24.14,27.89 U13.1 ; 62.92,8.95 v1(61.83,7.85) ; 62.92,8.95 62.88,8.9 ; 62.92,8.95 62.92,10.25 62.61,10.56 U1.A101
  Bottom w0.178: v1(24.05,27.8) 26.4,27.8 27,27.2 ; 27,27.2 27.8,26.4 41.35,26.4 59.9,7.85 v1(61.83,7.85) ; 27,27.2 26.95,27.25
SDIO_D3: length 53.7
  Top w0.178: U1.A103 63.2,11.01 63.2,10.4 63.42,10.17 63.42,8.58 v1(62.58,7.72) ; v1(25.3,27.12) 25.14,27.29 U13.3
  Bottom w0.178: 41.3,25.9 41.3,25.83 59.83,7.3 62.15,7.3 v1(62.58,7.72) ; 41.3,25.9 27.42,25.9 26.36,26.96 ; 41.3,25.9 41.25,25.9 ; 26.36,26.96 26.2,27.12 v1(25.3,27.12) ; 26.36,26.96 26.48,26.85
USB_UART_D+: length 13.7
  Top w0.178: U12.15 41.49,76.85 41.35,76.98 41.12,76.98 41.05,76.98 41,76.96 40.94,76.92 40.9,76.88 40.87,76.83 40.85,76.77 40.84,76.71 40.84,76.71 40.83,76.64 40.81,76.59 40.78,76.53 40.74,76.49 40.68,76.46 40.63,76.44 40.57,76.43 40.5,76.44 40.45,76.46 40.39,76.49 40.35,76.53 40.32,76.59 40.3,76.64 40.29,76.71 40.29,76.71 40.28,76.77 40.26,76.83 40.23,76.88 40.19,76.92 40.13,76.96 40.08,76.98 40.02,76.98 39.15,76.98 37.63,75.46 33.58,75.46 32.91,74.79 32.91,72.84 U2.A13
USB_UART_D-: length 13.7
  Top w0.178: U2.A12 32.53,72.84 32.53,74.95 33.42,75.84 37.47,75.84 39,77.37 41.35,77.37 41.49,77.5 U12.16
USER_DIP: length 31.7
  Top w0.178: 37.53,20.22 36.1,18.8 28.26,18.8 v1(27.73,19.33) ; 37.53,20.22 37.79,20.49 R17.2 41.71,20.49 42.61,19.59 U1.A22 ; 37.53,20.22 37.7,20.4 ; SW1.4 29.54,9.1 v1(27.79,10.85)
  Bottom w0.178: v1(27.73,19.33) 27.72,19.32 27.72,10.92 v1(27.79,10.85)
Net-(C4-Pad2): length 4.8
  Top w0.203: R2.2 32.11,37.63 C4.2 34.67,37.63 R3.1 34.72,38.06 35.03,38.38 35.53,38.38 35.67,38.52 U9.14
Net-(C8-Pad1): length 3.1
  Top w0.203: U9.18 38.43,40.38 38.63,40.17 38.63,39.78 39.02,39.39 R4.2 40.33,39.39 C8.1
Net-(C33-Pad1): length 1.2
  Top w0.178: U2.D9 29.55,70.6 v2(29.5,70.6)
  Bottom w0.178: C33.1 29.5,70.6 v2(29.5,70.6)
Net-(C35-Pad1): length 1.1
  Top w0.152: v2(27.1,72.25) 27.52,71.83 U2.B6
  Bottom w0.152: v2(27.1,72.25) 27.1,72.63 27,72.72
Net-(C63-Pad2): length 4
  Top w0.178: 27.29,75.16 27.29,74 27.52,73.77 U2.A6 ; C63.2 26.26,75.47 Y1.1 27.3,75.38
Net-(C78-Pad1): length 5.8
  Top w0.178: U11.5 18.47,15.31 19.74,16.58 22.41,16.58 C78.1
Net-(C83-Pad2): length 2.1
  Top w0.203: U12.17 44.05,78.15 C83.2
Net-(C86-Pad2): length 1.2
  Top w0.178: C86.2 40.61,51.89 U1.B13
Net-(C87-Pad2): length 1.2
  Top w0.178: U1.B17 41.61,51.89 C87.2
Net-(C88-Pad2): length 1.7
  Top w0.178: v1(46.62,54.06) 46.61,54.05 U1.B37
  Bottom w0.178: v1(46.62,54.06) C88.2
Net-(C89-Pad2): length 1.7
  Top w0.178: v1(47.6,54.04) 47.61,54.03 U1.B41
  Bottom w0.178: C89.2 47.6,54.73 v1(47.6,54.04)
Net-(C98-Pad1): length 1.3
  Top w0.152: C98.1 13.43,55.46 U6.11
Net-(D1-Pad2): length 1
  Top w0.203: D1.2 R45.2
Net-(D2-Pad2): length 1
  Top w0.203: D2.2 R46.2
Net-(D6-Pad2): length 10.3
  Top w0.203: D6.2 30.75,34.3 R53.2
Net-(D7-Pad2): length 10.5
  Top w0.203: D7.2 31.28,35.25 R54.2
Net-(D8-Pad2): length 0.9
  Top w0.203: R55.2 D8.2
Net-(R1-Pad1): length 1.3
  Top w0.152: U8.7 33.14,93.95 33.13,93.95
Net-(R10-Pad1): length 1.5
  Top w0.152: U2.M10 30.72,63.85 v2(30.37,64.2)
  Bottom w0.152: v2(30.37,64.2) 30.37,64.16 R10.1
Net-(R21-Pad1): length 22.4
  Top w0.203: 19.4,25.2 R21.1 17.9,25.2 8.31,15.61 8.31,9.22
Net-(R22-Pad1): length 15.4
  Top w0.203: 19.88,26.58 R22.1 18.5,26.7 17.4,25.6 9.2,25.6 U11.14
Net-(R23-Pad2): length 2.1
  Top w0.178: R23.2 17.5,50.08
  Top w0.203: U7.9 17.55,50.03 17.5,50.08 17.47,50.05
Net-(R25-Pad2): length 2.4
  Top w0.203: R26.1 R25.2 9.05,54.96 U6.5
Net-(R27-Pad2): length 2.3
  Top w0.203: U6.4 8.93,55.46 R27.2 R28.1
Net-(R29-Pad1): length 1.3
  Top w0.152: R29.1 13.36,54.96 U6.10
Net-(R44-Pad1): length 9.9
  Top w0.102: v2(26.35,69.82) 26.32,69.8 26.32,69.03 U2.F5 U2.G5
  Top w0.152: U2.C6 U2.D5 26.72,70.2 v2(26.35,69.82)
  Bottom w0.152: R44.1 23.07,72.92 23.4,73.25 24.3,73.25 26.35,71.2 v2(26.35,69.82)
Net-(U2-PadA7): length 6.1
  Top w0.178: 28.31,74 28.32,73.99 U2.A7 ; 29.09,76.6 28.64,76.6 Y1.3 ; 29.09,76.6 29.41,76.28 29.41,74.92 29.11,74.62 28.61,74.62 28.33,74.34 ; 29.09,76.6 C64.1

## Copper pours and planes (outline as drawn; the poured copper is in the pictures)
